# KiCad board AmigaPCI Mainboard.kicad_pcb (continued)
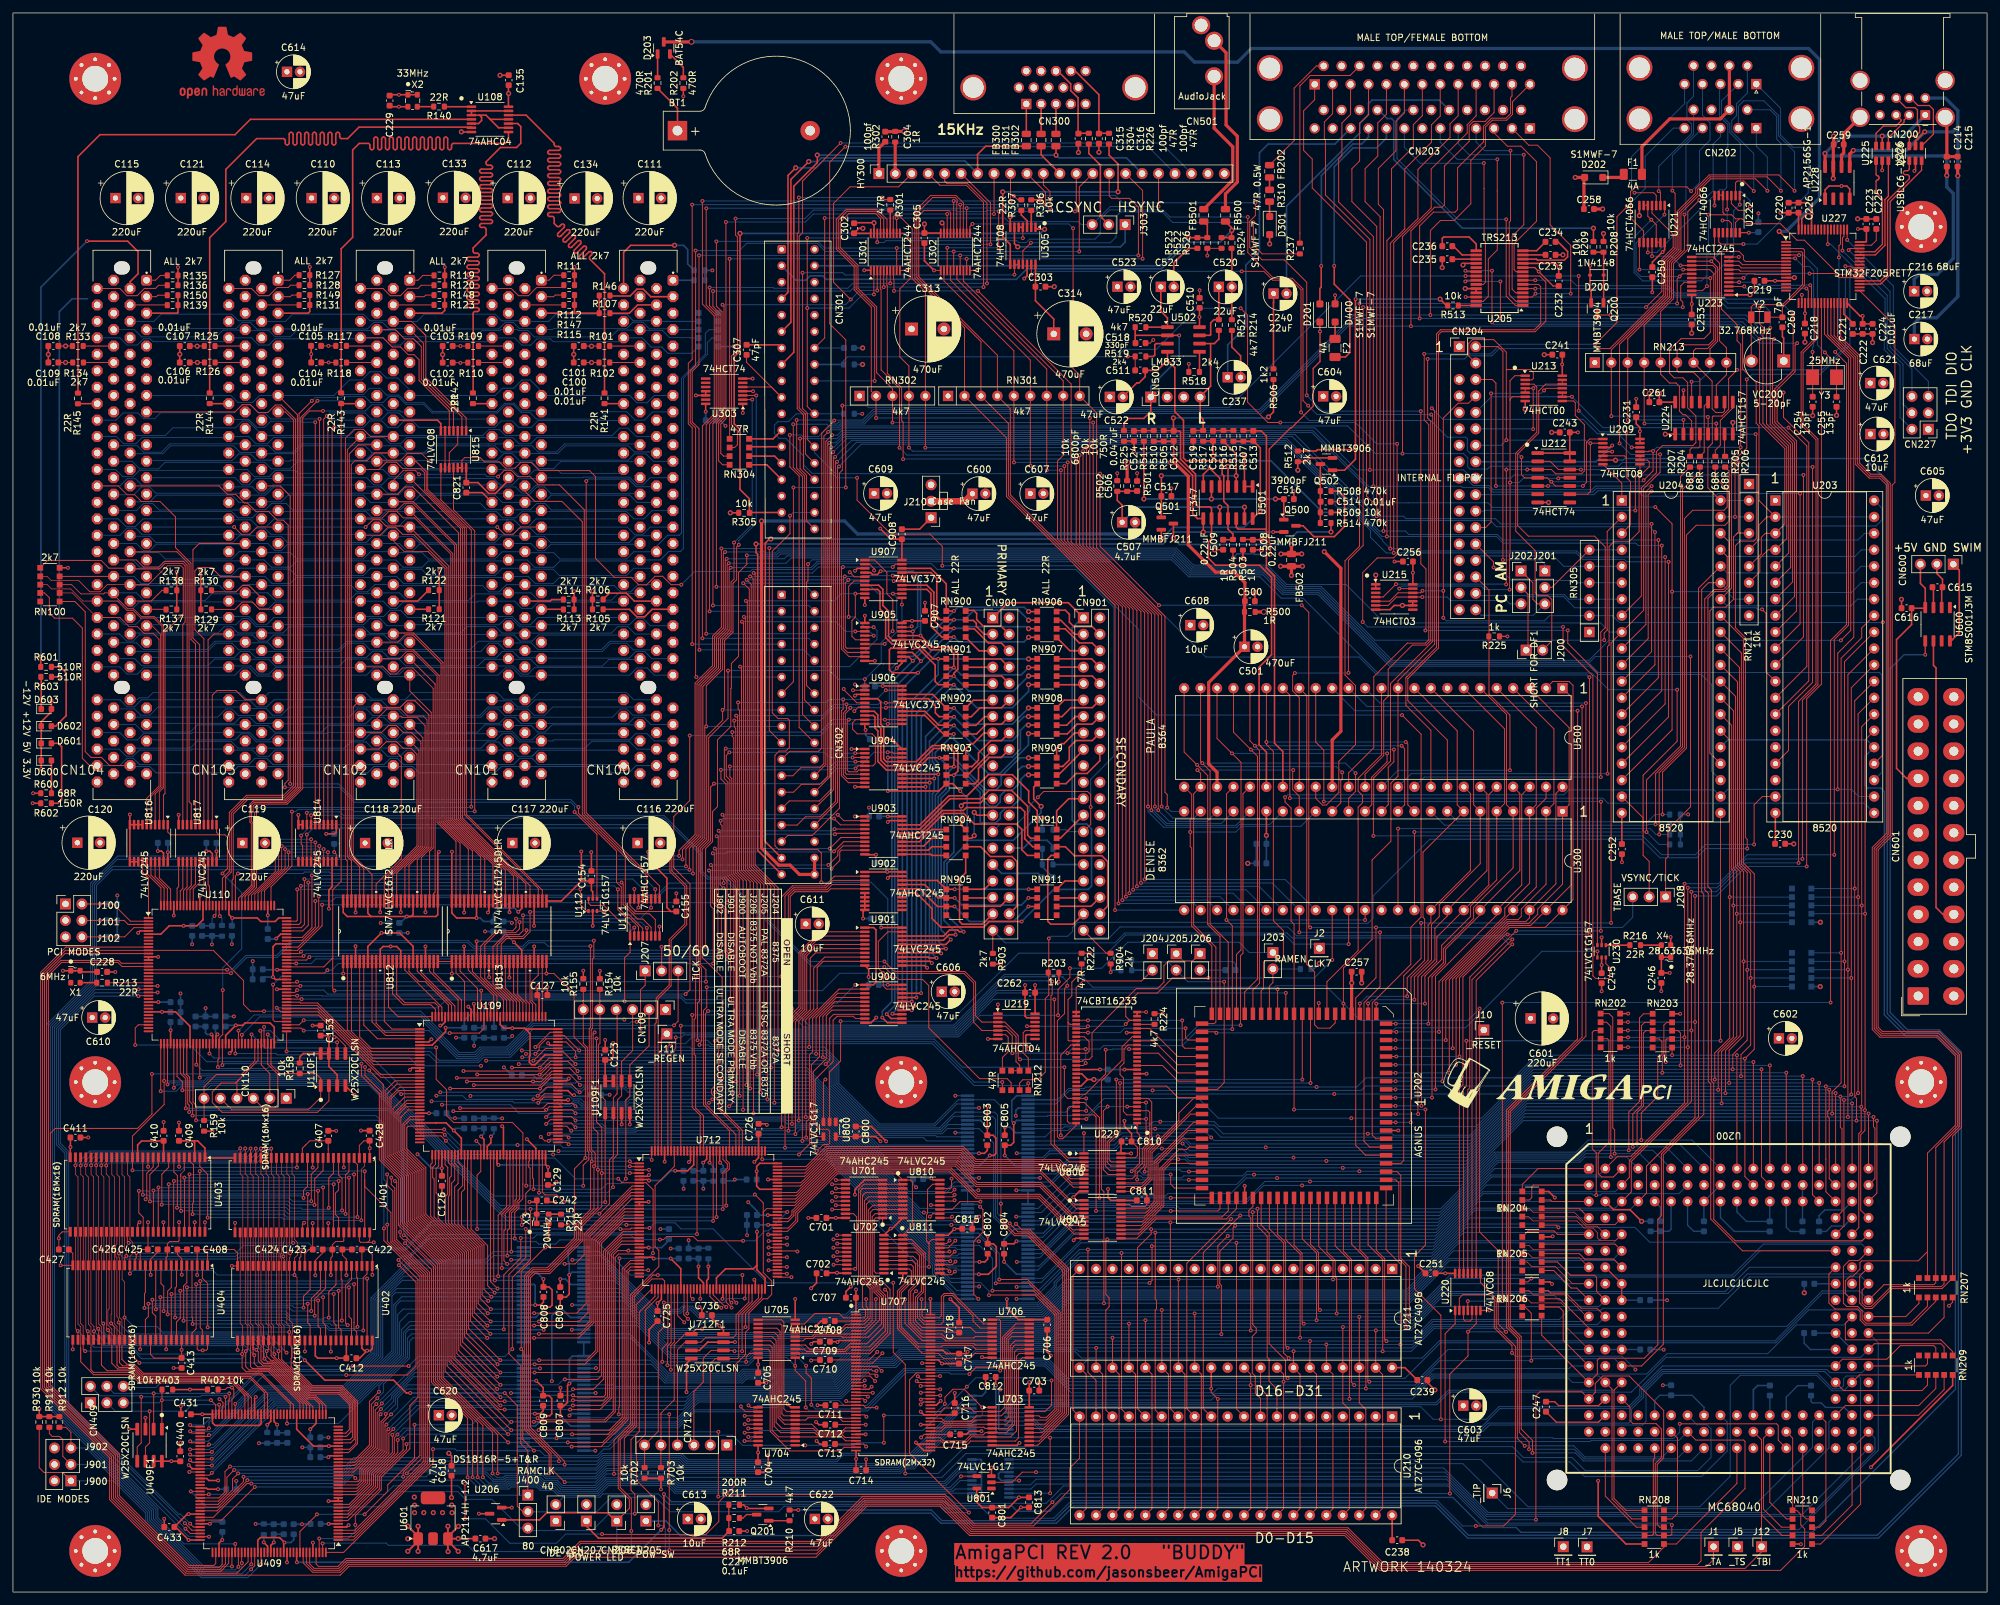
[diagram p0: board, top side]
## Routing (per net, layer and track width the routed paths; a pad name or vN(x,y) marks a point on that pad's centre or on a via; arc(x,y) is an arc through that point) (continued)
  Bottom w0.15: v2(113.17,153.06) 126.79,153.06 127.9,154.17 v2(130.06,154.17) ; v2(73.06,82.05) v2(80.36,82.05) v2(115.95,82.05) 125.72,82.05 126.31,81.46 126.31,78.07 133.31,71.07 143.29,71.07 144.41,72.2 U803.17 ; v2(25.96,58.85) 25.99,58.88 42.01,58.88 42.49,58.4 v2(51.36,58.4)
LVD19: length 298.3
  Top w0.15: U905.3 130.06,148.34 v2(130.06,148.34) ; v2(71.68,79.92) 71.69,79.91 v2(81.3,79.91) 81.4,79.91 82.93,81.44 U109.97 ; U403.7 24.85,64.86 25.38,64.32 25.38,59.4 v2(25.34,59.35) ; v2(114.89,79.91) 114.89,109.44 112.79,111.54 112.79,149.61 v2(112.57,149.84) ; U701.14 126.49,61.68 v2(126.47,61.69) ; U907.5 129.91,156.77 v2(129.2,157.48) ; v2(50.83,58.92) 50.81,58.94 50.81,63.87 50.28,64.4 U401.7
  In2.Cu w0.15: v2(130.06,148.34) 130.06,150.29 129.51,150.83 129.51,157.16 v2(129.2,157.48) ; v2(50.83,58.92) 50.83,58.92 67.64,58.92 69.34,60.62 69.34,65.76 70.99,67.42 70.99,75.57 71.68,76.26 v2(71.68,79.92) ; v2(114.89,79.91) 120.55,79.91 127.96,72.5 127.96,66.24 125.64,63.92 125.64,62.52 v2(126.47,61.69)
  Bottom w0.15: v2(130.06,148.34) 128.56,148.34 127.06,149.84 v2(112.57,149.84) ; v2(81.3,79.91) v2(114.89,79.91) 122.78,79.91 133.66,69.02 U803.12 ; v2(50.83,58.92) 50.7,58.8 42.77,58.8 42.19,59.38 25.36,59.38 v2(25.34,59.35)
LVD20: length 294.4
  Top w0.15: v2(48.76,59.32) 48.76,63.95 49.48,64.67 U401.8 ; v2(111.67,135.33) 111.89,135.1 111.89,111.17 113.27,109.79 v2(113.27,78.3) ; v2(127.06,61.03) 127.06,61.02 U701.15 ; v2(71.16,78.28) 81.48,78.28 83.14,79.94 U109.94 85.97,79.94 87.55,78.36 v2(87.55,78.3) ; v2(128.7,137.07) 128.7,136.24 128.21,135.75 128.21,126.19 128.78,125.63 U904.8 ; v2(22.96,59.82) 22.99,59.85 22.99,64.52 24.05,65.59 U403.8 ; v2(134.78,137.3) 134.79,137.31 U906.16
  In2.Cu w0.15: v2(113.27,78.3) 121.74,78.3 127.66,72.38 127.66,66.36 125.34,64.05 125.34,62.07 126.39,61.03 v2(127.06,61.03) ; v2(48.76,59.32) 48.99,59.55 52.24,59.55 52.39,59.4 67.69,59.4 69.03,60.74 69.03,65.88 70.69,67.54 70.69,75.72 71.16,76.19 v2(71.16,78.28)
  Bottom w0.15: v2(134.78,137.3) 133.83,137.3 133.6,137.07 126.73,137.07 124.99,135.33 v2(111.67,135.33) ; U803.8 134.93,66.49 123.11,78.3 v2(113.27,78.3) v2(87.55,78.3) ; v2(22.96,59.82) 23.01,59.88 42.34,59.88 42.91,59.3 44.48,59.3 44.68,59.1 48.53,59.1 v2(48.76,59.32)
LVD21: length 300.1
  Top w0.15: v2(129.06,134.71) 128.81,134.46 128.81,126.91 129.06,126.66 130.31,126.66 130.58,126.93 U904.6 ; U401.10 47.88,65.09 46.59,63.8 46.59,59.81 v2(46.56,59.77) ; v2(81.02,76.63) 82.33,77.94 U109.90 ; U701.16 126.47,60.38 v2(126.47,60.38) ; v2(112.2,76.63) 112.2,110.01 111.29,110.92 111.29,131.91 111.07,132.13 v2(111.07,132.79) ; v2(134.62,134.71) U906.12 ; U403.10 22.45,65.79 21.13,64.47 21.13,60.35 v2(21.16,60.32)
  In2.Cu w0.15: 48.4,59.85 67.72,59.85 68.74,60.87 68.74,66.01 70.39,67.66 70.39,76.36 v2(70.63,76.6) ; 48.4,59.85 46.63,59.85 v2(46.56,59.77) ; 48.4,59.85 46.61,59.85 46.59,59.82 ; v2(126.47,60.38) 125.04,61.81 125.04,64.17 127.36,66.49 127.36,72.25 121.91,77.7 114.9,77.7 113.82,76.63 v2(112.2,76.63)
  Bottom w0.15: U803.3 145.37,63.31 143.91,61.85 138.29,61.85 123.51,76.63 v2(112.2,76.63) 95.37,76.63 94.41,75.67 88.16,75.67 87.68,76.15 86.39,76.15 85.91,76.63 v2(81.02,76.63) 70.66,76.63 v2(70.63,76.6) ; 44.1,59.82 43.01,59.82 42.49,60.35 21.19,60.35 v2(21.16,60.32) ; 44.1,59.82 46.59,59.82 ; 44.1,59.82 46.5,59.82 v2(46.56,59.77) ; v2(134.62,134.71) v2(129.06,134.71) 126.56,134.71 124.64,132.79 v2(111.07,132.79)
LVD22: length 285.1
  Top w0.15: U401.11 47.08,65.53 46.06,64.51 v2(46.06,60.35) ; v2(127.05,59.73) 127.06,59.72 U701.17 ; U906.6 130.55,136.66 v2(129.91,136.02) ; v2(111.66,78.84) 111.66,79.89 111.9,80.13 111.9,109.89 110.99,110.8 110.99,125.6 110.69,125.9 v2(110.69,127.49) ; U109.95 83.2,80.44 81.6,78.84 v2(80.29,78.84) v2(70.09,78.84) ; v2(130.08,128.23) 130.08,128.23 U904.4 ; v2(20.48,60.65) 20.66,60.83 20.66,64.66 21.65,65.65 U403.11
  In2.Cu w0.15: v2(70.09,78.84) 70.09,67.79 68.44,66.13 68.44,60.99 67.79,60.35 v2(46.06,60.35) ; v2(129.91,136.02) 130.56,135.37 130.56,128.71 v2(130.08,128.23) ; v2(111.66,78.84) 111.66,76.43 112.36,75.73 113.43,75.73 114.35,76.66 122.53,76.66 127.06,72.13 127.06,66.61 124.74,64.3 124.74,61.36 126.38,59.73 v2(127.05,59.73)
  Bottom w0.15: v2(80.29,78.84) 80.53,78.6 86.87,78.6 87.1,78.84 v2(111.66,78.84) 123,78.84 134.72,67.12 U803.9 ; v2(130.08,128.23) 127,128.23 126.27,127.5 110.7,127.5 v2(110.69,127.49) ; v2(20.48,60.65) 20.68,60.85 42.66,60.85 43.16,60.35 v2(46.06,60.35)
LVD23: length 289.6
  Top w0.15: v2(110.06,130.25) 109.83,130.02 109.83,125.63 110.39,125.07 110.39,110.55 111.3,109.64 111.3,81.17 v2(110.58,80.45) ; v2(44.86,60.88) 44.86,62.03 45.48,62.65 U401.13 ; v2(129.7,139.26) U906.2 ; U701.18 126.49,59.07 v2(126.48,59.07) ; U403.13 20.05,61.36 v2(20.06,61.35) ; U904.2 130.04,129.53 v2(130.04,129.53) ; v2(87.18,80.45) 85.69,81.94 U109.98 83,81.94 81.52,80.45 v2(69.56,80.45)
  In2.Cu w0.15: v2(110.58,80.45) 110.58,77.08 112.23,75.43 116.58,75.43 117.51,76.35 122.41,76.35 126.76,72 126.76,66.74 124.44,64.42 124.44,61.11 v2(126.48,59.07) ; v2(129.7,139.26) 128.88,139.26 127.68,138.06 127.68,137.14 130.04,134.78 v2(130.04,129.53) ; v2(44.86,60.88) 67.47,60.88 68.13,61.54 68.13,66.26 69.56,67.69 69.56,70.19 69.79,70.41 69.79,74.77 69.56,75 v2(69.56,80.45)
  Bottom w0.15: v2(130.04,129.53) 127.42,129.53 126.7,130.25 v2(110.06,130.25) ; U803.13 141.1,69.66 140.58,70.18 132.94,70.18 122.66,80.45 v2(110.58,80.45) v2(87.18,80.45) ; v2(20.06,61.35) 20.81,61.35 20.99,61.18 44.56,61.18 v2(44.86,60.88)
LVD24: length 269.3
  Top w0.15: 20.11,55.69 20.11,57.88 19.44,58.55 v2(19.44,61.95) ; v2(110.61,129.67) 110.13,129.19 110.13,125.97 110.69,125.41 110.69,110.67 111.6,109.76 111.6,81.04 111.11,80.55 111.11,75.53 v2(110.59,75.01) ; v2(86.86,75.01) 86.43,75.44 U109.85 82.54,75.44 81.83,74.72 v2(69.04,74.72) ; v2(45.51,61.47) 45.51,55.57 ; v2(128.27,139.45) 128.27,139.34 130.3,137.31 U906.5 ; U904.3 129.64,128.88 v2(129.63,128.88) ; 128.75,55.1 127.26,55.1
  In2.Cu w0.15: v2(45.51,61.47) 45.54,61.45 64.28,61.45 64.97,62.14 66.49,62.14 67.84,63.49 67.84,66.38 69.04,67.59 69.04,70.09 69.49,70.54 69.49,74.27 v2(69.04,74.72) ; v2(140.64,58.6) 137.13,55.1 v2(127.26,55.1) ; v2(129.63,128.88) 127.38,131.14 127.38,138.55 v2(128.27,139.45)
  Bottom w0.15: v2(110.61,129.67) 125.28,129.67 126.07,128.88 v2(129.63,128.88) ; v2(45.51,61.47) 21.29,61.47 20.81,61.95 v2(19.44,61.95) ; v2(86.86,75.01) 87.1,74.77 94.8,74.77 95.04,75.01 v2(110.59,75.01) 123.85,75.01 140.25,58.6 v2(140.64,58.6) 147.39,58.6
LVD25: length 288.3
  Top w0.15: 21.69,55.66 v2(21.69,62) ; 47.09,62 47.08,62 U401.44 ; v2(87.48,79.38) 85.93,80.94 U109.96 83.07,80.94 81.52,79.38 68.54,79.38 v2(68.53,79.4) ; v2(130.09,127.18) 130.49,127.58 U904.5 132.78,127.58 133.15,127.95 133.15,132.04 132.67,132.52 130.35,132.52 129.64,133.23 129.64,134.25 130.1,134.71 U906.9 ; v2(109.5,79.38) 109.5,94.94 106.41,98.02 106.41,114.7 107.72,116.01 107.72,124.3 v2(108.25,124.83) ; 128.75,54.45 126.69,54.45
  In2.Cu w0.15: v2(109.5,79.38) 109.5,77.74 112.11,75.13 116.71,75.13 117.12,74.72 123.62,74.72 126.46,71.88 126.46,66.86 124.14,64.54 124.14,60.98 125.62,59.51 125.62,55.52 v2(126.68,54.46) ; v2(47.11,61.97) 47.13,61.95 64.36,61.95 64.85,62.44 66.37,62.44 67.52,63.59 67.52,66.49 68.51,67.49 68.51,69.99 69.19,70.66 69.19,73.74 68.51,74.41 68.51,79.38 v2(68.53,79.4)
  Bottom w0.15: v2(108.25,124.83) 108.25,124.83 124.86,124.83 127.21,127.18 v2(130.09,127.18) ; U803.11 133.87,68.39 122.88,79.38 v2(109.5,79.38) v2(87.48,79.38) ; v2(47.11,61.97) 47.09,62 45.29,62 45.25,61.95 21.74,61.95 v2(21.69,62)
LVD26: length 281.4
  Top w0.15: U904.7 128.73,126.28 128.51,126.5 128.51,135.63 129.3,136.42 v2(129.3,136.54) ; v2(112.73,74.47) 112.73,109.91 111.59,111.05 111.59,133.38 111.37,133.6 v2(111.37,134.57) ; 128.75,53.81 127.28,53.81 ; v2(134.78,136.55) 134.89,136.66 U906.15 ; v2(22.46,62.47) 22.44,62.45 22.44,55.64 ; U401.45 47.88,62.47 v2(47.88,62.47) ; v2(67.99,74.25) 68.04,74.2 82.06,74.2 v2(82.33,74.47) 82.8,74.94 U109.84
  In2.Cu w0.15: v2(67.99,74.25) 68.89,73.35 68.89,70.79 67.99,69.89 67.99,67.39 67.22,66.62 67.22,63.72 66.24,62.74 64.72,62.74 64.43,62.45 47.91,62.45 v2(47.88,62.47) ; v2(145.49,57.33) 139.79,57.33 137.26,54.8 128.26,54.8 v2(127.27,53.81)
  Bottom w0.15: v2(82.33,74.47) v2(112.73,74.47) 123.96,74.47 141.1,57.33 v2(145.49,57.33) U802.20 ; v2(47.88,62.47) 47.86,62.5 24.33,62.5 24.28,62.45 22.49,62.45 v2(22.46,62.47) ; v2(134.78,136.55) 126.63,136.55 124.65,134.57 v2(111.37,134.57)
LVD27: length 307.4
  Top w0.15: v2(67.5,77.75) v2(81.38,77.75) 81.38,77.75 83.07,79.44 U109.93 ; U401.47 49.48,63 49.49,63 ; v2(111.97,137.37) 111.97,136.37 112.19,136.15 112.19,111.3 113.82,109.67 v2(113.82,77.75) ; U906.19 v2(134.78,139.26) ; v2(128.2,137.84) 128.18,137.81 128.18,136.34 127.91,136.08 127.91,126.07 129,124.98 U904.9 ; 128.75,53.15 126.69,53.15 ; U403.47 24.05,62.96 v2(24.06,62.97)
  In2.Cu w0.15: v2(67.5,77.75) 67.47,77.71 67.47,67.5 66.92,66.96 66.92,63.84 66.12,63.04 64.6,63.04 64.51,62.95 49.56,62.95 v2(49.53,62.97) ; v2(126.68,53.17) 125.32,54.53 125.32,59.38 123.84,60.86 123.84,64.71 126.16,67.03 126.16,71.76 123.5,74.42 115.57,74.42 114.56,73.4 113.03,73.4 108.96,77.48 v2(108.96,77.75)
  Bottom w0.15: v2(24.06,62.97) 24.09,62.95 47.59,62.95 47.63,63 49.51,63 v2(49.53,62.97) ; U803.6 135.77,65.21 123.24,77.75 v2(113.82,77.75) v2(108.96,77.75) 94.85,77.75 94.6,78 88.1,78 87.81,77.7 86.93,77.7 86.32,78.3 81.94,78.3 v2(81.38,77.75) ; v2(111.97,137.37) 125.55,137.37 126.02,137.84 v2(128.2,137.84) 133.36,137.84 v2(134.78,139.26)
LVD28: length 354.1
  Top w0.15: 24.81,55.67 24.81,63.43 v2(24.86,63.47) ; v2(112.27,142.9) 112.49,142.68 112.49,111.42 114.34,109.57 v2(114.34,73.93) ; v2(132.97,157.75) 132.97,158.02 132.27,158.72 U907.2 ; v2(58.98,63.47) 59.25,63.2 59.25,54.42 64.33,49.34 64.33,19.82 52.55,8.04 U409.1 ; v2(50.28,63.47) 50.28,63.47 50.28,62.09 49.78,61.59 49.78,58.3 50.28,57.8 U401.48 ; U109.83 86.35,74.44 v2(86.86,73.93) ; U905.2 132.89,148.99 v2(132.89,148.99) ; 128.75,52.5 127.28,52.5
  In2.Cu w0.15: v2(132.89,148.99) 132.12,148.99 130.88,150.22 130.88,155.66 v2(132.97,157.75) ; v2(50.28,63.47) v2(58.98,63.47) 63.27,63.47 65.41,65.61 65.41,71.22 66.25,72.06 v2(66.25,75.25) ; v2(127.27,52.51) 129.26,54.5 137.38,54.5 139.58,56.7 v2(144.88,56.7)
  Bottom w0.15: v2(112.27,142.9) 129.18,142.9 133.42,147.13 133.42,148.46 v2(132.89,148.99) ; U802.19 v2(144.88,56.7) 141.28,56.7 140.62,57.36 140.62,57.39 124.08,73.93 v2(114.34,73.93) v2(86.86,73.93) 78.15,73.93 76.83,75.25 v2(66.25,75.25) ; v2(24.86,63.47) 26.67,63.47 26.69,63.5 50.26,63.5 v2(50.28,63.47)
LVD29: length 374.1
  Top w0.15: U907.6 129.86,156.12 129.04,155.29 v2(129.04,150.57) ; 26.49,55.66 26.49,63.97 v2(26.46,64) ; v2(115.42,77.18) 115.42,109.34 113.09,111.67 113.09,150.35 v2(112.87,150.57) ; U905.4 132.88,147.69 v2(132.89,147.68) ; 51.88,55.54 v2(51.88,64) ; v2(87.5,77.18) 86.24,78.44 U109.91 ; v2(58.41,64) 58.41,62.93 58.95,62.39 58.95,54.3 64.03,49.22 64.03,19.95 52.62,8.54 U409.2 ; 128.75,51.85 126.69,51.85
  In2.Cu w0.15: v2(51.88,64) 51.91,63.97 58.38,63.97 v2(58.41,64) 58.46,64.05 63.09,64.05 64.88,65.83 64.88,71.12 65.72,71.96 65.72,75.82 65.98,76.08 v2(65.98,77.18) ; v2(126.68,51.86) 125.02,53.52 125.02,59.26 123.54,60.73 123.54,64.84 125.86,67.15 125.86,71.63 123.37,74.12 115.7,74.12 114.68,73.1 111.75,73.1 108.39,76.47 v2(108.39,77.18)
  Bottom w0.15: v2(132.89,147.68) 130,150.57 v2(112.87,150.57) ; v2(65.98,77.18) 81.77,77.18 82.59,78 86.2,78 87.03,77.18 v2(87.5,77.18) 87.73,77.18 88.25,77.7 94.48,77.7 95,77.18 v2(108.39,77.18) v2(115.42,77.18) 123.38,77.18 135.98,64.58 U803.5 ; v2(26.46,64) 26.49,63.97 50.1,63.97 50.13,64 v2(51.88,64)
LVD30: length 389.1
  Top w0.15: 128.75,51.2 127.26,51.2 ; v2(135.87,154.17) 135.87,154.17 U907.12 ; U109.88 82.07,76.94 81.21,76.08 v2(80.35,76.08) ; v2(134.59,146.41) 134.57,146.39 U905.6 ; v2(112.75,155.78) 112.77,155.78 113.69,154.86 113.69,111.92 116.49,109.12 v2(116.49,76.08) ; v2(52.66,64.5) 52.66,64.49 52.66,55.56 ; 27.21,55.67 27.21,64.45 v2(27.26,64.5) ; v2(57.78,64.5) 57.78,62.81 58.65,61.94 58.65,54.17 63.73,49.09 63.73,20.07 52.7,9.04 U409.3
  In2.Cu w0.15: v2(65.37,76.65) 65.37,72.03 64.36,71.02 64.36,65.73 63.16,64.53 57.81,64.53 v2(57.78,64.5) 57.73,64.45 52.71,64.45 v2(52.66,64.5) ; v2(108,76.08) 111.28,72.81 114.81,72.81 115.82,73.82 121.19,73.82 122.27,72.73 124.33,72.73 125.56,71.51 125.56,67.28 123.24,64.96 123.24,60.61 124.72,59.14 124.72,53.08 126.59,51.21 v2(127.26,51.21)
  Bottom w0.15: v2(65.37,76.65) 69.42,76.65 69.99,76.08 v2(80.35,76.08) 84.34,76.08 85.13,75.29 85.98,75.29 86.53,75.85 87.39,75.85 87.87,75.37 94.53,75.37 95.24,76.08 v2(108,76.08) v2(116.49,76.08) 123.64,76.08 136.89,62.82 136.89,62.81 138.15,61.55 144.04,61.55 145.16,62.68 147.39,62.68 ; v2(134.59,146.41) 136.45,148.27 136.45,153.59 v2(135.87,154.17) 133.6,154.17 131.99,155.78 v2(112.75,155.78) ; v2(27.26,64.5) 27.28,64.47 29.05,64.47 29.1,64.52 52.63,64.52 v2(52.66,64.5)
LVD31: length 390.6
  Top w0.15: v2(135.84,156.95) 136.02,156.77 U907.16 ; 54.31,63.64 v2(54.31,64.97) ; 54.31,63.64 54.31,55.57 ; 54.31,63.64 54.31,62.64 58.35,58.6 58.35,54.05 63.43,48.97 63.43,20.2 52.77,9.54 U409.4 ; 128.75,50.56 126.69,50.56 ; U109.87 82,76.44 81.67,76.11 81.67,76.11 v2(81.11,75.55) ; U403.53 28.85,64.99 v2(28.84,65) ; U905.8 128.87,145.09 128.21,145.75 128.21,156.6 v2(128.44,156.83) ; v2(117.56,75.55) 117.56,108.9 114.29,112.17 114.29,156.47 113.93,156.83 v2(113.82,156.83)
  In2.Cu w0.15: v2(107.46,75.55) 110.5,72.5 114.93,72.5 115.95,73.52 119.81,73.52 121.04,72.29 124.35,72.29 125.26,71.38 125.26,67.4 122.94,65.09 122.94,60.48 124.42,59.01 124.42,52.82 v2(126.69,50.55) ; v2(64.63,75.77) 64.63,75.36 65.07,74.92 65.07,72.16 64.06,71.15 64.06,65.86 63.35,65.14 57.27,65.14 57.1,64.97 v2(54.31,64.97)
  Bottom w0.15: v2(64.63,75.77) 77.16,75.77 77.38,75.55 v2(81.11,75.55) 84.12,75.55 84.67,74.99 86.1,74.99 86.66,75.55 87.27,75.55 87.75,75.07 94.68,75.07 95.16,75.55 v2(107.46,75.55) v2(117.56,75.55) 123.73,75.55 140.04,59.24 U802.23 ; v2(54.31,64.97) 54.26,65.02 51.34,65.02 51.3,64.97 28.86,64.97 v2(28.84,65) ; v2(113.82,156.83) v2(128.44,156.83) 131.12,156.83 131.24,156.95 v2(135.84,156.95)
LVDRA0-G: length 50.5
  Top w0.15: U806.7 163.27,63.82 161.21,65.88 148.37,65.88 146.36,67.89 125.92,67.89 122.23,64.2 U712.104
LVDRA1-0: length 51
  Top w0.15: U806.8 163.49,63.18 161.09,65.58 148.24,65.58 146.23,67.59 126.04,67.59 121.65,63.2 U712.102
LVDRA2-1: length 51.2
  Top w0.15: 165.36,62.52 163.72,62.52 160.96,65.28 148.12,65.28 146.11,67.29 126.16,67.29 121.57,62.7 U712.101
LVDRA3-2: length 52.5
  Top w0.15: U712.99 121,61.7 126.29,66.99 145.98,66.99 147.99,64.98 158.81,64.98 163.95,59.83 U807.2
LVDRA4-3: length 52.7
  Top w0.15: U807.3 164.18,59.19 158.69,64.68 147.87,64.68 145.86,66.69 126.41,66.69 120.92,61.2 U712.98
LVDRA5-4: length 52.9
  Top w0.15: U712.97 120.85,60.7 126.54,66.39 145.74,66.39 148.89,63.24 158.74,63.24 163.44,58.53 U807.4
LVDRA6-5: length 53.2
  Top w0.15: U712.96 120.77,60.2 126.65,66.08 145.62,66.08 148.76,62.94 158.62,62.94 163.67,57.88 U807.5
LVDRA7-6: length 53.4
  Top w0.15: U807.6 163.9,57.24 158.49,62.64 148.64,62.64 145.5,65.78 126.78,65.78 120.7,59.7 U712.95
LVDRA8-7: length 54.6
  Top w0.15: U807.7 163.39,56.58 158.56,61.42 148.94,61.42 144.88,65.48 126.9,65.48 120.27,58.85 120.27,58.25 119.72,57.7 U712.91
LVDRA9-8: length 49.9
  Top w0.15: U712.107 122.45,65.7 125.56,68.81 146.71,68.81 148.74,66.78 161.62,66.78 162.63,65.77 U806.4
LVPARITY: length 7.7
  Top w0.15: U110.144 22.84,108.77 20.65,110.96 U816.15
LVR_W: length 374.8
  Top w0.15: v2(134.46,27.27) 134.46,23.06 v2(134.47,23.05) ; U409.144 51.06,6.13 64.85,19.93 v2(64.85,22.07) ; U701.1 133.21,57.77 132.97,57.53 132.97,49.54 133.26,49.25 U702.1 ; v2(80.44,21.83) 78.71,23.57 78.71,37.29 v2(78.47,37.53) 78.47,49.5 v2(82.17,53.21) 85.21,53.21 86.69,54.69 86.69,65.34 v2(88.38,67.04) 88.38,83.96 86.63,85.71 86.63,92.41 83.53,95.51 v2(82.37,95.51) 82.37,95.51 U813.24 ; U703.1 v2(149.67,28.51) 146.87,31.31 145.13,31.31 143.89,30.07 v2(143.89,29.06) ; v2(67.76,95.5) 67.77,95.51 U813.1 65.6,97.37 ; U110.76 40.42,88.09 40.16,88.35 v2(40.16,93.8) ; U704.1 122.32,22.66 v2(122.33,22.66) ; v2(149.34,59.49) 149.76,59.06 149.76,55.59 148.35,54.18 148.35,45.98 v2(149.06,45.27) ; U712.144 98.62,66.74 v2(98.62,66.74) ; v2(50.99,95.5) U812.1 ; v2(134.27,56.7) 134.27,57.76
  In2.Cu w0.15: v2(145.5,76.64) 146.07,76.06 146.07,65.02 v2(149.06,62.04)
  In3.Cu w0.15: v2(143.89,29.06) 143.89,34.38 149.06,39.55 v2(149.06,45.27)
  Bottom w0.15: v2(149.06,45.27) U802.1 145.83,45.27 141.96,49.14 141.96,50.5 135.76,56.7 v2(134.27,56.7) ; v2(149.67,28.51) 149.67,27.35 149.37,27.05 U808.5 ; v2(88.38,67.04) 98.32,67.04 v2(98.62,66.74) ; U805.24 78.8,37.2 v2(78.47,37.53) 78.8,37.86 U804.1 ; v2(143.89,29.06) 142.1,27.27 v2(134.46,27.27) ; v2(82.37,95.51) 67.77,95.51 v2(67.76,95.5) v2(50.99,95.5) 41.86,95.5 v2(40.16,93.8) ; v2(134.47,23.05) 130.31,23.05 129.92,22.66 v2(122.33,22.66) 112.64,22.66 111.09,24.21 94.28,24.21 92.13,22.07 91.22,22.07 90.21,21.06 82.12,21.06 81.34,21.83 v2(80.44,21.83) U805.1 68.51,21.83 68.24,22.1 64.89,22.1 v2(64.85,22.07) ; v2(145.5,76.64) 145.5,76.64 U803.24 ; v2(149.06,62.04) U803.1 U802.24 148.95,59.88 v2(149.34,59.49) ; U804.24 82.17,53.21 v2(82.17,53.21)
LVSIZ0: length 236
  Top w0.15: v2(89.69,100.58) 89.69,100.57 89.69,97.95 89.46,97.73 89.46,87.01 89.28,86.84 89.28,68.37 89.89,67.77 89.89,65.93 v2(89.71,65.75) 89.71,59.19 87.29,56.77 87.29,54.44 82.62,49.77 80.29,49.77 79.31,48.78 79.31,25.2 83.08,21.42 83.08,19.07 v2(85.18,16.97) ; U712.2 95.28,65.7 v2(95.23,65.75) ; U110.17 v2(33.07,96.09)
  Bottom w0.15: v2(33.07,96.09) 33.77,96.09 35.98,98.3 40.7,98.3 42.98,100.58 70.34,100.58 71.21,99.71 78.72,99.71 79.57,100.57 89.68,100.57 v2(89.69,100.58) ; v2(85.18,16.97) 89.94,16.97 91.73,18.76 93.84,18.76 94.36,18.24 101.77,18.24 102.94,17.06 143.82,17.06 146.57,19.81 148.06,19.81 ; v2(95.23,65.75) v2(89.71,65.75)
LVSIZ1: length 236.6
  Top w0.15: U712.1 95.56,66.2 v2(95.24,66.51) ; v2(82.78,18.32) 82.78,21.3 79.01,25.07 79.01,48.91 80.17,50.07 82.5,50.07 86.99,54.56 86.99,56.89 89.19,59.09 89.19,66.33 v2(89.37,66.51) 89.37,67.87 88.99,68.25 88.99,87 89.16,87.17 v2(89.16,99.73) ; v2(33.66,95.56) 33.66,95.56 20.95,95.56
  Bottom w0.15: v2(89.16,99.73) 82.61,99.73 82.07,100.27 79.7,100.27 78.84,99.41 71.09,99.41 70.22,100.28 43.1,100.28 40.82,98 36.1,98 v2(33.66,95.56) ; U808.3 145.02,25.75 138.89,19.62 137.47,19.62 136.78,18.93 103.61,18.93 102.65,19.89 91.59,19.89 90.02,18.32 v2(82.78,18.32) ; v2(89.37,66.51) 89.37,66.51 v2(95.24,66.51)
LVTM0: length 125.7
  Top w0.15: v2(36.19,17.27) 36.19,17.22 31.51,12.54 U409.99
  Bottom w0.15: v2(36.19,17.27) 50.85,17.27 52.42,18.85 90.12,18.85 91.46,20.19 102.77,20.19 103.73,19.23 136.66,19.23 137.35,19.92 138.77,19.92 145.25,26.4 U808.4
LVTM1: length 126.5
  Top w0.15: v2(35.6,17.8) 35.6,17.06 31.58,13.04 U409.98
  Bottom w0.15: U808.6 146.12,27.7 138.64,20.22 137.22,20.22 136.53,19.53 103.86,19.53 102.9,20.49 91.34,20.49 90,19.15 52.3,19.15 50.95,17.8 v2(35.6,17.8)
LVTM2: length 128.1
  Top w0.15: v2(33.52,19.38) 32.74,18.6 32.74,15.47 31.81,14.54 U409.95
  Bottom w0.15: v2(33.52,19.38) 33.53,19.38 51.25,19.38 52.63,20.75 90.33,20.75 90.96,21.39 103.27,21.39 104.23,20.43 127.09,20.43 128.08,21.43 138.57,21.43 146.8,29.65 U808.9
LVTT0: length 266.6
  Top w0.15: 90.09,85.64 90.09,72.6 90.91,71.79 v2(90.91,64.7) 90.91,59.53 87.89,56.51 87.89,54.19 82.87,49.17 80.55,49.17 79.91,48.52 79.91,25.44 85.18,20.17 v2(85.18,19.68) ; U409.97 31.66,13.54 33.9,15.78 33.9,17.46 v2(34.77,18.32) ; U712.4 v2(95.24,64.7) ; U110.60 v2(34.34,83.16)
  Bottom w0.15: v2(34.77,18.32) 51.05,18.32 52.4,19.68 v2(85.18,19.68) 90.1,19.68 91.21,20.79 103.02,20.79 103.98,19.83 136.41,19.83 137.1,20.52 138.52,20.52 146.35,28.35 U808.7 ; v2(90.11,85.49) 79.69,85.49 76.78,82.58 72.66,82.58 71.89,81.81 65.37,81.81 64.23,82.95 40.82,82.95 40.61,83.16 v2(34.34,83.16) ; v2(90.91,64.7) v2(95.24,64.7)
LVTT1: length 264.4
  Top w0.15: U110.73 42.25,83.48 v2(42.25,83.48) ; v2(34.16,18.85) 33.04,17.73 33.04,15.35 31.73,14.04 U409.96 ; U712.3 v2(98.21,65.2) ; v2(89.81,86.43) 89.59,86.2 89.59,71.68 90.31,70.95 v2(90.31,65.22) 90.31,59.35 89.65,58.7 89.64,58.7 87.59,56.64 87.59,54.31 82.75,49.47 80.42,49.47 79.61,48.66 79.61,25.32 84.3,20.63 v2(84.3,20.22)
  Bottom w0.15: v2(98.21,65.2) 98.19,65.22 v2(90.31,65.22) ; v2(89.81,86.43) 89.17,85.79 79.57,85.79 76.73,82.95 72.61,82.95 71.77,82.11 65.78,82.11 64.41,83.48 v2(42.25,83.48) ; v2(34.16,18.85) 51.15,18.85 52.52,20.22 v2(84.3,20.22) 90.22,20.22 91.09,21.09 103.15,21.09 104.11,20.13 127.21,20.13 128.21,21.12 138.7,21.12 146.57,29 U808.8
LVUPA0: length 184.1
  Top w0.15: v2(26.16,77.49) 26.16,78.79 25.34,79.61 U110.42 ; v2(60.54,53.87) 64.63,49.78 64.63,32.39 70.2,26.82 v2(70.2,17.72)
  Bottom w0.15: U809.2 102.19,15.26 101.02,16.44 91.95,16.44 90.46,14.95 84.12,14.95 83.37,15.7 81.4,15.7 80.87,16.22 76.89,16.22 76.58,15.91 72.01,15.91 v2(70.2,17.72) ; v2(26.16,77.49) 29.81,77.49 30.52,78.21 55.03,78.21 60.86,72.38 60.86,54.19 v2(60.54,53.87)
LVUPA1: length 184
  Top w0.15: v2(70.97,17.72) 70.97,26.47 64.93,32.51 64.93,50.22 60.76,54.39 60.3,54.39 59.78,54.92 v2(59.78,55.6) ; v2(27.21,74.12) 27.21,75.17 26.99,75.39 26.99,79.38 26.34,80.02 U110.44
  Bottom w0.15: v2(27.21,74.12) 27.48,74.39 58,74.39 60.04,72.35 60.04,57.23 59.78,56.97 v2(59.78,55.6) ; U809.3 145.5,15.91 145.15,15.56 102.32,15.56 101.14,16.74 91.83,16.74 90.34,15.25 84.24,15.25 83.49,16 81.52,16 81,16.52 76.67,16.52 76.36,16.21 72.48,16.21 v2(70.97,17.72)
M0H: length 95.8
  Top w0.15: v2(253.62,118.54) 253.62,126.37 257.77,130.53 257.77,170.24 260.46,172.93 R204.2
  Bottom w0.15: 255.8,118.54 v2(253.62,118.54) 252.53,118.54 252.4,118.42 221.06,118.42 U300.9
M0V: length 119.6
  Top w0.15: U300.38 213.85,117.88 v2(213.86,117.89) ; R205.2 262.84,172.08 264.68,170.25 264.68,167.54 264.18,167.04 259.36,167.04 258.07,165.76 258.07,130.4 254.18,126.51 v2(254.18,116.98)
  Bottom w0.15: v2(213.86,117.89) 222.38,117.89 252.79,117.89 253.7,116.98 v2(254.18,116.98) R309.2
M1H: length 96.2
  Top w0.15: v2(254.7,120.07) 254.7,126.61 258.38,130.28 258.38,163.2 259.9,164.73 264.33,164.73 264.98,165.38 264.98,173.1 R206.2
  Bottom w0.15: U300.8 223.07,118.94 252.4,118.94 253.53,120.07 R303.2
M1V: length 111.4
  Top w0.15: R207.2 257.48,172.25 257.48,130.65 252.22,125.4 v2(252.22,117.35) ; U300.39 216.39,117.36 v2(216.38,117.37)
  Bottom w0.15: v2(216.38,117.37) 252.23,117.37 254.15,115.44 R312.2
OVL: length 433.3
  Top w0.15: v2(35.34,4.47) 35.31,4.5 U409.118 ; v2(102.85,113.67) 102.85,114.53 105.32,117 105.32,140.36 108.02,143.06 108.02,147.62 109.38,148.98 v2(109.38,161.14) ; U204.2 246.15,163.76 246.15,148.54 245.69,148.07 245.69,147 v2(245.7,146.99)
  Bottom w0.15: v2(245.7,146.99) 245.69,146.98 210.28,146.98 201.98,155.28 196.54,155.28 193.54,158.27 182.15,158.27 179.53,160.9 118.18,160.9 117.74,160.45 116.11,160.45 115.43,161.14 v2(109.38,161.14) ; v2(102.85,113.67) 47.73,113.67 47.71,113.66 16.18,113.66 12,109.47 12,94.44 5.21,87.65 5.21,28.75 21.4,12.55 21.4,11.18 29.46,3.12 34.81,3.12 35.34,3.65 v2(35.34,4.47)
PAR_DA: length 24.1
  Top w0.15: U109.10 55.55,82.44 47.03,90.96 44.42,90.96 44.29,91.09 U110.82
PARITY: length 117
  Top w0.13: CN104.A43 21.46,149.21 22.78,147.9 22.78,124.36 21.3,122.88 U816.5
  Bottom w0.13: CN100.A43 98.4,149.21 97.29,150.33 96.14,150.33 95.18,149.37 81.74,149.37 ; 61.42,149.37 75.08,149.37 76.04,150.33 76.97,150.33 78.24,149.06 81.43,149.06 ; 56.91,150.06 57.76,149.21 CN102.A43 ; 56.91,150.06 56.68,150.3 ; 56.91,150.06 56.65,150.33 55.11,150.33 54.15,149.37 41.1,149.37 ; 20.78,149.37 34.44,149.37 35.4,150.33 36.33,150.33 37.58,149.08 40.81,149.08
PBUSY: length 299.1
  Top w0.15: v2(215.85,195.48) 215.85,210.19 219.51,213.84 220.65,213.84 221.01,214.21 221.01,220.19 224.84,224.02 224.84,226.46 225.47,227.09 227.31,227.09 228.68,228.47 CN203.11 ; CN302.18 121.91,135.52 121.91,172.22 120.48,173.65 v2(120.48,180.33) ; v2(266.73,194.52) 267.06,194.19 267.06,188.86 269.15,186.76 269.15,180.5 269.6,180.05 269.6,168.55 U203.2 270.82,166.02 269.58,164.78 269.58,162.47 RN211.5
  Bottom w0.15: v2(120.48,180.33) 121.79,180.33 125.66,180.33 125.92,180.07 127.44,180.07 127.74,180.37 131.44,180.37 133.05,181.98 192.66,181.98 206.16,195.48 v2(215.85,195.48) 215.86,195.47 265.77,195.47 v2(266.73,194.52) ; U203.2 U203.39
PCI_DATA_DIR: length 24.6
  Top w0.15: U110.78 47.2,89.09 56.85,79.44 U109.16
PHASEA_D: length 24.1
  Top w0.15: U110.81 46.97,90.59 55.62,81.94 U109.11
PIO_P0: length 102.3
  Top w0.15: U110.25 19.45,92.09 v2(19.37,92.01) ; U409.104 27.87,10.04 v2(27.35,10.56)
  Bottom w0.15: v2(19.37,92.01) 12.54,92.01 7.31,86.78 7.31,69.32 8.61,68.02 8.61,28.98 25.58,12.01 25.9,12.01 v2(27.35,10.56)
PIO_P1: length 106.3
  Top w0.15: U110.24 v2(22.34,92.59) ; v2(26.55,10.62) 27.63,9.54 U409.105
  Bottom w0.15: v2(26.55,10.62) 8.31,28.86 8.31,67.89 7.01,69.19 7.01,86.91 12.64,92.54 22.29,92.54 v2(22.34,92.59)
